# KiCad board plz actually have soldermask.kicad_pcb (continued)
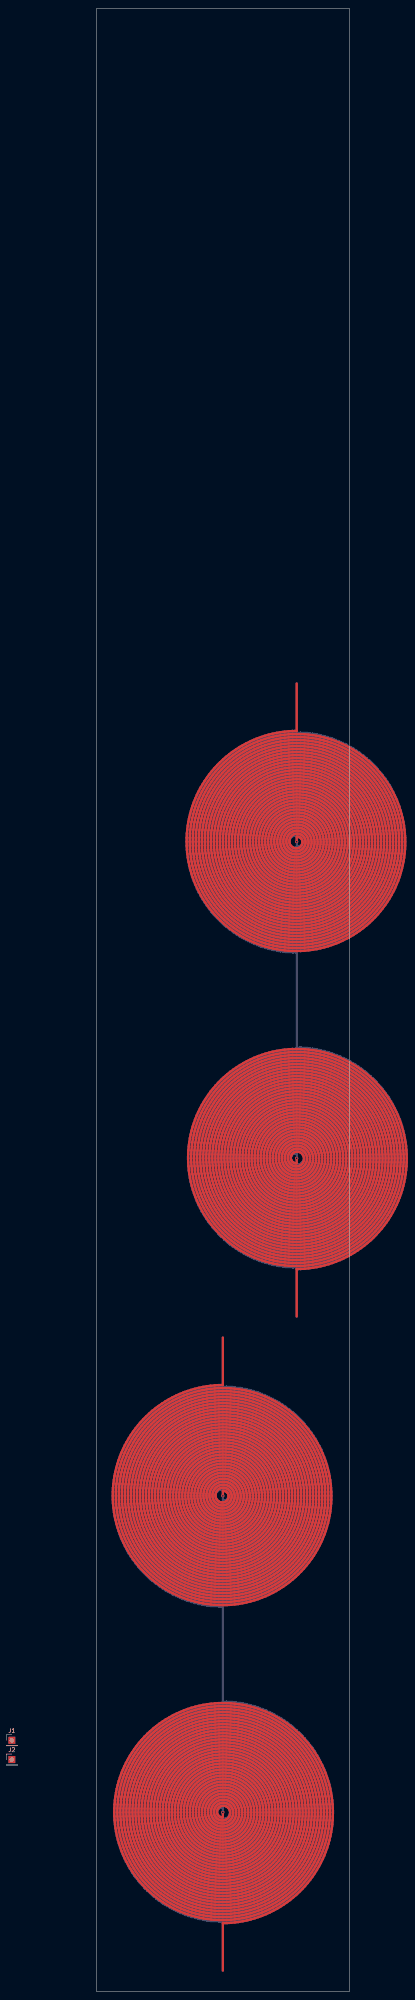
[diagram p0: board, top side]
## Routing (per net, layer and track width the routed paths; a pad name or vN(x,y) marks a point on that pad's centre or on a via; arc(x,y) is an arc through that point) (continued)
51.8,277.33 51.7,277.78 51.53,278.22 51.32,278.62 51.05,279 50.73,279.33 50.38,279.62 49.99,279.86 49.58,280.05 49.15,280.18 48.71,280.25 48.26,280.27 47.78,280.22 47.31,280.1 46.86,279.91 46.45,279.67 46.08,279.37 45.76,279.03 45.49,278.64 45.28,278.22 45.13,277.78 45.05,277.32 45.03,276.86 45.08,276.4 45.2,275.96 45.37,275.54 45.6,275.15 45.88,274.8 46.21,274.5 46.58,274.24 46.97,274.05 47.39,273.91 47.82,273.83 48.26,273.82 48.69,273.86 49.11,273.97 49.5,274.14 49.87,274.35 50.2,274.62 50.49,274.93 50.72,275.28 50.91,275.65 51.04,276.04 51.11,276.45 51.12,276.86 51.08,277.27 50.98,277.66 50.82,278.03 50.61,278.37 50.36,278.68 50.07,278.95 49.75,279.17 49.39,279.34 49.02,279.46 48.64,279.53 48.26,279.54 47.84,279.49 47.44,279.38 47.07,279.2 46.73,278.97 46.43,278.69 46.18,278.37 45.98,278.02 45.85,277.64 45.77,277.25 45.76,276.86 45.81,276.47 45.92,276.1 46.08,275.75 46.3,275.43 46.56,275.16 46.86,274.93 47.18,274.75 47.53,274.62 47.89,274.55 48.26,274.54 48.62,274.59 48.96,274.69 49.29,274.84 49.58,275.04 49.83,275.29 50.05,275.56 50.21,275.87 50.33,276.19 50.39,276.52 50.4,276.86 50.35,277.19 50.26,277.51 50.11,277.8 49.93,278.07 49.71,278.31 49.45,278.5 49.17,278.65 48.88,278.75 48.57,278.81 48.26,278.81 47.92,278.76 47.61,278.66 47.31,278.5 47.06,278.29 46.84,278.05 46.67,277.78 46.56,277.48 46.49,277.17 46.49,276.86 46.53,276.56 46.63,276.27 46.78,276 46.96,275.77 47.19,275.58 47.43,275.43 47.7,275.33 47.98,275.27 48.26,275.27 48.53,275.31 48.79,275.4 49.02,275.54 49.23,275.7 49.4,275.9 49.53,276.13 49.62,276.36 49.67,276.61 49.67,276.86 49.63,277.1 49.55,277.33 49.43,277.53 49.28,277.71 49.1,277.86 48.9,277.98 48.69,278.05 48.48,278.09 48.26,278.09 v1(48.26,276.86)
  Bottom w0.6: v1(30.48,119.38) 30.48,118.15 30.7,118.15 30.91,118.19 31.12,118.26 31.32,118.38 31.5,118.53 31.65,118.71 31.77,118.91 31.85,119.14 31.89,119.38 31.89,119.63 31.84,119.88 31.75,120.11 31.62,120.34 31.45,120.54 31.24,120.7 31.01,120.84 30.75,120.93 30.48,120.97 30.2,120.97 29.92,120.91 29.65,120.81 29.41,120.66 29.18,120.47 29,120.24 28.85,119.97 28.75,119.68 28.71,119.38 28.71,119.07 28.78,118.76 28.89,118.46 29.06,118.19 29.28,117.95 29.53,117.74 29.83,117.58 30.14,117.48 30.48,117.43 30.79,117.43 31.1,117.49 31.39,117.59 31.67,117.74 31.93,117.93 32.15,118.17 32.33,118.44 32.48,118.73 32.57,119.05 32.62,119.38 32.61,119.72 32.55,120.05 32.43,120.37 32.27,120.68 32.05,120.95 31.8,121.2 31.51,121.4 31.18,121.55 30.84,121.65 30.48,121.7 30.11,121.69 29.75,121.62 29.4,121.49 29.08,121.31 28.78,121.08 28.52,120.81 28.3,120.49 28.14,120.14 28.03,119.77 27.98,119.38 27.99,118.99 28.07,118.6 28.2,118.22 28.4,117.87 28.65,117.55 28.95,117.27 29.29,117.04 29.66,116.86 30.06,116.75 30.48,116.7 30.86,116.71 31.24,116.78 31.61,116.9 31.97,117.07 32.29,117.29 32.58,117.56 32.83,117.87 33.04,118.21 33.2,118.58 33.3,118.97 33.34,119.38 33.33,119.79 33.26,120.2 33.13,120.59 32.94,120.96 32.71,121.31 32.42,121.62 32.09,121.89 31.72,122.1 31.33,122.27 30.91,122.38 30.48,122.42 30.04,122.41 29.61,122.33 29.19,122.19 28.8,122 28.43,121.74 28.1,121.44 27.82,121.09 27.59,120.7 27.42,120.28 27.3,119.84 27.25,119.38 27.27,118.92 27.35,118.46 27.5,118.02 27.71,117.6 27.98,117.21 28.3,116.87 28.67,116.57 29.08,116.33 29.53,116.14 30,116.02 30.48,115.97 30.93,115.99 31.37,116.06 31.8,116.19 32.21,116.38 32.6,116.62 32.95,116.91 33.27,117.24 33.54,117.62 33.75,118.02 33.92,118.46 34.02,118.91 34.07,119.38 34.05,119.85 33.98,120.32 33.84,120.77 33.64,121.21 33.39,121.61 33.08,121.98 32.73,122.31 32.34,122.59 31.91,122.82 31.45,122.99 30.97,123.1 30.48,123.15 29.99,123.13 29.5,123.05 29.02,122.91 28.56,122.7 28.14,122.43 27.75,122.11 27.4,121.74 27.11,121.33 26.87,120.88 26.69,120.4 26.58,119.89 26.53,119.38 26.55,118.86 26.63,118.35 26.79,117.85 27,117.37 27.28,116.93 27.62,116.52 28.01,116.16 28.44,115.85 28.91,115.6 29.42,115.42 29.94,115.3 30.48,115.25 30.98,115.26 31.48,115.34 31.96,115.47 32.43,115.67 32.87,115.92 33.28,116.22 33.65,116.57 33.98,116.97 34.25,117.4 34.48,117.86 34.64,118.35 34.75,118.86 34.8,119.38 34.78,119.9 34.7,120.42 34.56,120.93 34.35,121.41 34.09,121.87 33.77,122.3 33.41,122.68 33,123.02 32.54,123.31 32.06,123.55 31.55,123.72 31.02,123.83 30.48,123.88 29.94,123.86 29.4,123.77 28.87,123.63 28.36,123.41 27.88,123.14 27.44,122.81 27.04,122.43 26.69,122 26.39,121.53 26.14,121.02 25.96,120.49 25.85,119.94 25.8,119.38 25.82,118.81 25.91,118.25 26.06,117.71 26.29,117.18 26.57,116.68 26.91,116.22 27.31,115.8 27.76,115.44 28.25,115.12 28.77,114.87 29.32,114.69 29.9,114.57 30.48,114.52 31.03,114.54 31.57,114.61 32.1,114.75 32.61,114.95 33.1,115.21 33.56,115.52 33.98,115.88 34.36,116.28 34.7,116.73 34.98,117.21 35.2,117.73 35.37,118.26 35.48,118.82 35.52,119.38 35.5,119.95 35.42,120.51 35.28,121.06 35.07,121.59 34.81,122.1 34.48,122.57 34.11,123.01 33.69,123.4 33.23,123.75 32.72,124.04 32.19,124.28 31.64,124.45 31.06,124.56 30.48,124.61 29.89,124.59 29.31,124.5 28.74,124.35 28.19,124.13 27.67,123.86 27.17,123.53 26.72,123.14 26.31,122.7 25.96,122.22 25.66,121.7 25.41,121.15 25.23,120.58 25.12,119.98 25.07,119.38 25.09,118.77 25.18,118.17 25.34,117.58 25.56,117.01 25.85,116.47 26.19,115.96 26.59,115.49 27.04,115.07 27.54,114.7 28.08,114.39 28.65,114.14 29.24,113.96 29.86,113.84 30.48,113.79 31.07,113.81 31.65,113.89 32.22,114.03 32.77,114.23 33.3,114.49 33.81,114.8 34.28,115.16 34.71,115.58 35.09,116.03 35.43,116.52 35.71,117.05 35.93,117.61 36.1,118.19 36.21,118.78 36.25,119.38 36.23,119.98 36.15,120.58 36,121.17 35.8,121.75 35.53,122.3 35.21,122.81 34.83,123.3 34.41,123.74 33.94,124.14 33.43,124.48 32.88,124.77 32.31,125.01 31.71,125.18 31.1,125.29 30.48,125.33 29.86,125.31 29.24,125.23 28.63,125.08 28.04,124.86 27.47,124.59 26.94,124.25 26.44,123.87 25.98,123.43 25.58,122.94 25.22,122.42 24.92,121.86 24.68,121.26 24.5,120.65 24.39,120.02 24.35,119.38 24.37,118.74 24.46,118.1 24.61,117.47 24.83,116.87 25.12,116.28 25.46,115.73 25.86,115.22 26.31,114.75 26.81,114.33 27.35,113.96 27.93,113.65 28.54,113.41 29.17,113.23 29.82,113.11 30.48,113.06 31.1,113.08 31.72,113.16 32.32,113.3 32.91,113.5 33.48,113.76 34.03,114.07 34.54,114.44 35.01,114.85 35.44,115.31 35.83,115.81 36.16,116.34 36.44,116.91 36.67,117.5 36.83,118.12 36.94,118.74 36.98,119.38 36.96,120.02 36.88,120.65 36.73,121.28 36.53,121.88 36.26,122.47 35.94,123.03 35.56,123.55 35.14,124.04 34.67,124.48 34.15,124.88 33.6,125.22 33.02,125.51 32.41,125.74 31.78,125.91 31.13,126.02 30.48,126.06 29.82,126.04 29.17,125.95 28.53,125.8 27.91,125.59 27.3,125.32 26.73,124.99 26.19,124.6 25.69,124.17 25.24,123.68 24.83,123.15 24.48,122.59 24.18,121.99 23.95,121.36 23.77,120.71 23.66,120.05 23.62,119.38 23.64,118.71 23.73,118.04 23.88,117.38 24.1,116.74 24.38,116.12 24.72,115.53 25.11,114.98 25.56,114.46 26.06,114 26.6,113.58 27.19,113.22 27.8,112.92 28.45,112.67 29.11,112.49 29.79,112.38 30.48,112.34 31.13,112.36 31.78,112.44 32.42,112.58 33.04,112.77 33.64,113.03 34.22,113.34 34.77,113.7 35.28,114.11 35.76,114.57 36.19,115.07 36.57,115.61 36.9,116.18 37.18,116.79 37.4,117.41 37.56,118.06 37.66,118.71 37.7,119.38 37.68,120.05 37.6,120.71 37.46,121.37 37.26,122.01 37,122.62 36.68,123.22 36.31,123.78 35.88,124.3 35.41,124.79 34.9,125.23 34.35,125.62 33.76,125.96 33.14,126.25 32.5,126.47 31.84,126.64 31.16,126.74 30.48,126.79 29.8,126.77 29.12,126.68 28.44,126.53 27.79,126.33 27.15,126.06 26.55,125.73 25.97,125.35 25.43,124.92 24.94,124.43 24.48,123.91 24.08,123.34 23.74,122.74 23.44,122.11 23.21,121.45 23.04,120.77 22.93,120.08 22.89,119.38 22.91,118.68 23,117.98 23.15,117.29 23.36,116.62 23.64,115.97 23.97,115.35 24.36,114.76 24.81,114.21 25.3,113.7 25.84,113.24 26.42,112.83 27.04,112.47 27.69,112.17 28.36,111.94 29.06,111.76 29.76,111.65 30.48,111.61 31.16,111.63 31.83,111.71 32.5,111.85 33.15,112.04 33.79,112.29 34.4,112.6 34.98,112.96 35.53,113.37 36.04,113.82 36.51,114.32 36.94,114.86 37.31,115.43 37.64,116.04 37.91,116.67 38.13,117.33 38.29,118 38.39,118.69 38.43,119.38 38.41,120.07 38.33,120.76 38.19,121.45 37.99,122.11 37.73,122.76 37.42,123.39 37.05,123.98 36.63,124.54 36.17,125.07 35.66,125.55 35.1,125.98 34.52,126.37 33.9,126.71 33.25,126.99 32.58,127.21 31.89,127.37 31.19,127.47 30.48,127.51 29.77,127.49 29.06,127.41 28.37,127.27 27.68,127.06 27.02,126.8 26.38,126.48 25.77,126.1 25.2,125.67 24.66,125.2 24.17,124.67 23.73,124.11 23.33,123.51 22.99,122.87 22.7,122.21 22.48,121.52 22.31,120.82 22.21,120.1 22.16,119.38 22.19,118.65 22.27,117.93 22.42,117.22 22.63,116.52 22.9,115.84 23.23,115.19 23.61,114.57 24.05,113.98 24.54,113.44 25.07,112.93 25.65,112.48 26.26,112.07 26.91,111.72 27.59,111.43 28.29,111.2 29.01,111.03 29.74,110.93 30.48,110.88 31.18,110.9 31.88,110.98 32.57,111.12 33.25,111.31 33.91,111.55 34.55,111.86 35.16,112.21 35.75,112.61 36.29,113.07 36.8,113.56 37.27,114.1 37.69,114.67 38.06,115.28 38.38,115.91 38.65,116.57 38.87,117.26 39.02,117.95 39.12,118.66 39.16,119.38 39.14,120.1 39.06,120.81 38.92,121.52 38.72,122.21 38.47,122.89 38.16,123.54 37.8,124.16 37.39,124.76 36.93,125.32 36.42,125.84 35.88,126.31 35.29,126.74 34.67,127.12 34.02,127.45 33.34,127.72 32.65,127.94 31.94,128.1 31.21,128.2 30.48,128.24 29.75,128.22 29.02,128.14 28.3,128 27.59,127.8 26.9,127.54 26.24,127.22 25.6,126.85 24.99,126.43 24.42,125.96 23.89,125.45 23.4,124.89 22.97,124.29 22.58,123.66 22.24,122.99 21.96,122.3 21.74,121.59 21.58,120.87 21.48,120.13 21.44,119.38 21.46,118.63 21.54,117.89 21.69,117.15 21.89,116.43 22.16,115.73 22.48,115.05 22.85,114.4 23.28,113.78 23.76,113.2 24.29,112.66 24.86,112.16 25.47,111.71 26.12,111.32 26.79,110.98 27.5,110.69 28.22,110.47 28.96,110.3 29.72,110.2 30.48,110.16 31.2,110.18 31.93,110.25 32.64,110.38 33.34,110.57 34.03,110.82 34.69,111.11 35.33,111.46 35.94,111.86 36.52,112.3 37.07,112.79 37.57,113.32 38.03,113.89 38.45,114.5 38.81,115.13 39.13,115.8 39.39,116.48 39.6,117.19 39.75,117.91 39.85,118.64 39.89,119.38 39.87,120.12 39.79,120.85 39.65,121.58 39.46,122.3 39.21,123 38.91,123.67 38.55,124.33 38.15,124.95 37.69,125.54 37.2,126.1 36.65,126.61 36.07,127.08 35.46,127.5 34.81,127.87 34.13,128.2 33.43,128.46 32.71,128.68 31.98,128.83 31.23,128.93 30.48,128.97 29.73,128.95 28.98,128.87 28.24,128.73 27.51,128.53 26.79,128.28 26.1,127.97 25.44,127.61 24.8,127.2 24.2,126.73 23.64,126.22 23.11,125.67 22.64,125.08 22.2,124.45 21.82,123.79 21.5,123.1 21.22,122.39 21.01,121.65 20.85,120.91 20.75,120.15 20.71,119.38 20.73,118.61 20.81,117.85 20.95,117.09 21.15,116.35 21.41,115.62 21.73,114.92 22.1,114.24 22.52,113.6 22.99,112.98 23.51,112.41 24.07,111.88 24.67,111.39 25.31,110.95 25.99,110.56 26.69,110.23 27.42,109.95 28.16,109.73 28.93,109.57 29.7,109.47 30.48,109.43 31.22,109.45 31.97,109.52 32.7,109.65 33.42,109.84 34.13,110.08 34.82,110.37 35.49,110.71 36.12,111.1 36.73,111.54 37.31,112.02 37.84,112.55 38.34,113.11 38.79,113.71 39.2,114.34 39.56,115.01 39.87,115.69 40.13,116.4 40.33,117.13 40.48,117.87 40.58,118.62 40.61,119.38 40.59,120.14 40.52,120.89 40.38,121.64 40.2,122.38 39.95,123.1 39.66,123.8 39.31,124.48 38.91,125.13 38.46,125.75 37.97,126.33 37.44,126.88 36.86,127.38 36.25,127.85 35.61,128.26 34.93,128.63 34.23,128.94 33.51,129.2 32.77,129.41 32.01,129.56 31.25,129.66 30.48,129.69 29.71,129.67 28.94,129.6 28.18,129.46 27.43,129.27 26.7,129.02 25.98,128.72 25.29,128.37 24.63,127.96 24,127.51 23.41,127 22.85,126.46 22.33,125.88 21.86,125.25 21.44,124.6 21.07,123.91 20.75,123.2 20.48,122.46 20.27,121.71 20.12,120.94 20.02,120.16 19.98,119.38 20,118.59 20.08,117.81 20.22,117.04 20.42,116.28 20.67,115.53 20.98,114.8 21.34,114.1 21.75,113.43 22.21,112.79 22.72,112.18 23.28,111.62 23.87,111.09 24.5,110.61 25.17,110.19 25.87,109.81 26.59,109.48 27.34,109.21 28.11,109 28.89,108.84 29.68,108.74 30.48,108.7 31.24,108.72 32,108.79 32.76,108.92 33.5,109.1 34.23,109.34 34.94,109.62 35.63,109.96 36.29,110.34 36.92,110.77 37.53,111.25 38.09,111.77 38.62,112.32 39.11,112.92 39.56,113.54 39.96,114.2 40.31,114.89 40.62,115.6 40.87,116.33 41.07,117.08 41.21,117.84 41.3,118.61 41.34,119.38 41.32,120.16 41.25,120.93 41.12,121.69 40.93,122.45 40.69,123.19 40.4,123.91 40.06,124.61 39.67,125.29 39.23,125.93 38.75,126.55 38.22,127.12 37.66,127.66 37.05,128.16 36.41,128.61 35.74,129.02 35.05,129.38 34.32,129.69 33.58,129.94 32.82,130.14 32.05,130.29 31.27,130.39 30.48,130.42 29.69,130.4 28.91,130.33 28.13,130.19 27.36,130.01 26.61,129.76 25.87,129.47 25.16,129.12 24.47,128.72 23.82,128.28 23.2,127.79 22.61,127.25 22.06,126.68 21.55,126.06 21.09,125.41 20.68,124.73 20.32,124.02 20,123.29 19.74,122.53 19.54,121.76 19.39,120.97 19.29,120.18 19.26,119.38 19.28,118.58 19.35,117.78 19.49,116.99 19.68,116.21 19.93,115.44 20.23,114.7 20.58,113.97 20.98,113.28 21.44,112.61 21.94,111.98 22.48,111.38 23.07,110.82 23.69,110.31 24.35,109.84 25.04,109.42 25.76,109.05 26.51,108.73 27.28,108.47 28.06,108.26 28.86,108.11 29.67,108.01 30.48,107.97 31.26,107.99 32.04,108.07 32.81,108.19 33.57,108.37 34.31,108.6 35.04,108.88 35.75,109.2 36.44,109.58 37.1,110 37.73,110.47 38.32,110.98 38.88,111.53 39.41,112.12 39.89,112.74 40.33,113.39 40.72,114.07 41.06,114.78 41.36,115.51 41.61,116.26 41.8,117.03 41.94,117.8 42.03,118.59 42.07,119.38 42.05,120.17 41.97,120.96 41.85,121.74 41.67,122.51 41.43,123.27 41.15,124.02 40.82,124.74 40.43,125.43 40,126.1 39.53,126.74 39.01,127.35 38.45,127.92 37.86,128.45 37.23,128.94 36.56,129.38 35.87,129.78 35.15,130.13 34.41,130.43 33.65,130.68 32.87,130.88 32.08,131.02 31.28,131.11 30.48,131.15 29.68,131.13 28.88,131.05 28.08,130.93 27.3,130.74 26.53,130.51 25.77,130.22 25.04,129.88 24.33,129.49 23.65,129.05 23,128.57 22.39,128.04 21.81,127.48 21.27,126.87 20.78,126.23 20.32,125.56 19.92,124.85 19.56,124.12 19.26,123.37 19,122.6 18.8,121.81 18.66,121.01 18.57,120.19 18.53,119.38 18.55,118.56 18.63,117.75 18.76,116.94 18.94,116.15 19.18,115.36 19.48,114.6 19.82,113.86 20.22,113.14 20.66,112.45 21.15,111.79 21.68,111.16 22.26,110.58 22.87,110.03 23.52,109.53 24.21,109.07 24.92,108.66 25.67,108.3 26.43,107.99 27.22,107.73 28.02,107.52 28.83,107.38 29.65,107.28 30.48,107.25 31.27,107.27 32.07,107.34 32.85,107.46 33.63,107.63 34.39,107.86 35.14,108.13 35.87,108.45 36.58,108.82 37.26,109.24 37.91,109.69 38.53,110.2 39.12,110.74 39.68,111.32 40.19,111.93 40.66,112.58 41.09,113.25 41.48,113.96 41.81,114.69 42.1,115.43 42.34,116.2 42.53,116.98 42.67,117.77 42.76,118.58 42.79,119.38 42.77,120.19 42.7,120.99 42.58,121.79 42.4,122.57 42.18,123.35 41.9,124.11 41.57,124.85 41.2,125.57 40.78,126.26 40.31,126.92 39.8,127.55 39.25,128.15 38.66,128.71 38.04,129.23 37.38,129.71 36.7,130.15 35.98,130.54 35.24,130.88 34.48,131.18 33.71,131.42 32.91,131.61 32.11,131.75 31.3,131.84 30.48,131.88 29.66,131.86 28.85,131.78 28.04,131.66 27.24,131.48 26.45,131.25 25.68,130.97 24.93,130.63 24.2,130.25 23.5,129.83 22.83,129.35 22.19,128.84 21.58,128.28 21.01,127.68 20.48,127.05 20,126.39 19.55,125.69 19.16,124.96 18.81,124.21 18.51,123.44 18.26,122.65 18.07,121.85 17.93,121.03 17.84,120.21 17.8,119.38 17.82,118.55 17.9,117.72 18.02,116.9 18.21,116.09 18.44,115.29 18.73,114.51 19.06,113.75 19.45,113.01 19.88,112.3 20.36,111.62 20.89,110.97 21.45,110.35 22.06,109.77 22.7,109.24 23.37,108.74 24.08,108.3 24.82,107.89 25.58,107.54 26.36,107.24 27.16,106.99 27.98,106.79 28.8,106.65 29.64,106.56 30.48,106.52 31.29,106.54 32.09,106.61 32.89,106.73 33.69,106.9 34.46,107.12 35.23,107.38 35.98,107.7 36.7,108.06 37.41,108.47 38.08,108.92 38.73,109.41 39.34,109.94 39.92,110.51 40.47,111.12 40.97,111.76 41.44,112.43 41.86,113.13 42.23,113.85 42.56,114.6 42.85,115.36 43.08,116.14 43.27,116.94 43.4,117.75 43.49,118.56 43.52,119.38 43.5,120.2 43.43,121.02 43.31,121.83 43.14,122.63 42.92,123.42 42.65,124.2 42.33,124.95 41.96,125.69 41.55,126.4 41.09,127.09 40.59,127.74 40.05,128.37 39.47,128.96 38.86,129.51 38.21,130.02 37.53,130.49 36.82,130.92 36.09,131.3 35.33,131.63 34.55,131.92 33.76,132.16 32.95,132.35 32.14,132.48 31.31,132.57 30.48,132.6 29.65,132.58 28.82,132.51 28,132.39 27.18,132.22 26.38,131.99 25.6,131.71 24.83,131.39 24.08,131.02 23.36,130.6 22.67,130.14 22,129.63 21.37,129.08 20.77,128.5 20.21,127.87 19.69,127.22 19.22,126.53 18.78,125.81 18.4,125.07 18.06,124.3 17.77,123.51 17.53,122.71 17.33,121.89 17.2,121.06 17.11,120.22 17.08,119.38 17.09,118.54 17.17,117.7 17.29,116.86 17.47,116.04 17.7,115.23 17.98,114.43 18.31,113.65 18.68,112.89 19.11,112.16 19.58,111.46 20.09,110.78 20.65,110.14 21.24,109.54 21.87,108.97 22.54,108.45 23.24,107.96 23.96,107.53 24.72,107.13 25.49,106.79 26.29,106.49 27.11,106.25 27.94,106.06 28.78,105.92 29.63,105.83 30.48,105.79 31.3,105.81 32.12,105.88 32.93,106 33.74,106.16 34.53,106.38 35.31,106.64 36.08,106.95 36.82,107.3 37.54,107.7 38.24,108.14 38.91,108.62 39.54,109.15 40.15,109.71 40.72,110.31 41.26,110.94 41.75,111.6 42.21,112.29 42.62,113.01 42.99,113.75 43.31,114.51 43.59,115.29 43.82,116.09 44,116.9 44.13,117.72 44.22,118.55 44.25,119.38 44.23,120.21 44.16,121.04 44.04,121.87 43.87,122.68 43.66,123.49 43.39,124.28 43.08,125.05 42.72,125.8 42.32,126.54 41.87,127.24 41.38,127.92 40.85,128.57 40.28,129.18 39.67,129.76 39.04,130.3 38.36,130.8 37.66,131.26 36.94,131.68 36.18,132.06 35.41,132.38 34.62,132.66 33.81,132.9 32.99,133.08 32.16,133.21 31.32,133.3 30.48,133.33 29.64,133.31 28.8,133.24 27.96,133.12 27.13,132.95 26.32,132.73 25.52,132.46 24.73,132.15 23.97,131.78 23.23,131.37 22.52,130.92 21.83,130.42 21.17,129.88 20.55,129.31 19.97,128.7 19.42,128.05 18.91,127.37 18.44,126.66 18.02,125.92 17.64,125.16 17.31,124.38 17.02,123.57 16.79,122.76 16.6,121.92 16.47,121.08 16.38,120.23 16.35,119.38 16.37,118.53 16.44,117.67 16.56,116.83 16.73,115.99 16.96,115.17 17.23,114.35 17.55,113.56 17.92,112.79 18.33,112.04 18.79,111.31 19.3,110.62 19.84,109.95 20.42,109.32 21.04,108.73 21.7,108.17 22.39,107.66 23.11,107.19 23.85,106.76 24.63,106.37 25.42,106.04 26.23,105.75 27.06,105.51 27.9,105.32 28.76,105.19 29.62,105.1 30.48,105.07 31.31,105.08 32.14,105.15 32.97,105.26 33.79,105.43 34.59,105.64 35.39,105.89 36.17,106.19 36.93,106.54 37.67,106.93 38.38,107.37 39.07,107.84 39.73,108.35 40.36,108.91 40.96,109.49 41.52,110.11 42.05,110.77 42.53,111.45 42.98,112.16 43.38,112.9 43.75,113.66 44.06,114.44 44.33,115.23 44.56,116.04 44.73,116.87 44.86,117.7 44.94,118.54 44.97,119.38 44.96,120.22 44.89,121.06 44.77,121.9 44.61,122.73 44.4,123.55 44.14,124.35 43.83,125.14 43.48,125.91 43.09,126.66 42.65,127.38 42.17,128.08 41.65,128.75 41.09,129.39 40.49,129.99 39.86,130.56 39.2,131.09 38.51,131.59 37.79,132.04 37.04,132.45 36.27,132.81 35.49,133.13 34.68,133.41 33.86,133.63 33.03,133.81 32.18,133.94 31.33,134.02 30.48,134.06 29.63,134.04 28.77,133.97 27.93,133.85 27.09,133.69 26.26,133.47 25.45,133.21 24.65,132.9 23.87,132.54 23.11,132.14 22.38,131.7 21.67,131.21 20.99,130.68 20.35,130.12 19.74,129.52 19.16,128.88 18.62,128.21 18.12,127.51 17.66,126.78 17.25,126.02 16.88,125.25 16.56,124.45 16.28,123.63 16.05,122.8 15.87,121.96 15.74,121.1 15.65,120.24 15.62,119.38 15.64,118.52 15.71,117.65 15.83,116.8 16,115.95 16.21,115.11 16.48,114.28 16.79,113.48 17.15,112.69 17.56,111.92 18.01,111.18 18.5,110.46 19.04,109.78 19.61,109.12 20.22,108.5 20.86,107.92 21.54,107.38 22.25,106.87 22.99,106.41 23.75,105.99 24.54,105.61 25.35,105.28 26.18,105 27.02,104.77 27.87,104.59 28.74,104.46 29.61,104.37 30.48,104.34 31.32,104.36 32.17,104.42 33,104.53 33.83,104.69 34.65,104.9 35.46,105.15 36.25,105.44 37.03,105.78 37.78,106.17 38.52,106.59 39.22,107.06 39.91,107.56 40.56,108.1 41.18,108.68 41.77,109.29 42.32,109.94 42.84,110.61 43.31,111.32 43.75,112.05 44.15,112.8 44.5,113.57 44.81,114.37 45.08,115.18 45.29,116 45.47,116.83 45.59,117.68 45.67,118.53 45.7,119.38 45.68,120.23 45.62,121.09 45.51,121.93 45.35,122.77 45.14,123.6 44.88,124.42 44.59,125.22 44.24,126.01 43.85,126.77 43.42,127.51 42.95,128.23 42.44,128.92 41.89,129.58 41.31,130.21 40.69,130.8 40.04,131.36 39.35,131.88 38.64,132.37 37.9,132.81 37.14,133.21 36.36,133.57 35.55,133.88 34.74,134.15 33.9,134.37 33.06,134.55 32.2,134.67 31.34,134.75 30.48,134.78 29.62,134.77 28.75,134.7 27.9,134.59 27.05,134.42 26.21,134.21 25.38,133.96 24.57,133.65 23.77,133.3 23,132.91 22.25,132.48 21.53,132 20.83,131.48 20.16,130.93 19.52,130.34 18.92,129.71 18.36,129.05 17.83,128.36 17.34,127.64 16.89,126.89 16.48,126.12 16.12,125.33 15.81,124.51 15.54,123.69 15.31,122.84 15.13,121.99 15.01,121.12 14.93,120.25 14.89,119.38 14.91,118.51 14.98,117.63 15.1,116.77 15.26,115.91 15.47,115.06 15.73,114.22 16.04,113.4 16.39,112.6 16.79,111.81 17.23,111.05 17.71,110.32 18.23,109.61 18.8,108.94 19.4,108.3 20.03,107.69 20.7,107.11 21.4,106.58 22.13,106.08 22.88,105.63 23.66,105.22 24.46,104.86 25.29,104.53 26.12,104.26 26.98,104.03 27.84,103.85 28.72,103.73 29.6,103.64 30.48,103.61 31.33,103.63 32.19,103.69 33.03,103.8 33.87,103.96 34.71,104.16 35.53,104.4 36.33,104.69 37.12,105.02 37.89,105.4 38.64,105.82 39.37,106.27 40.07,106.77 40.74,107.3 41.38,107.87 42,108.47 42.57,109.11 43.12,109.77 43.62,110.47 44.09,111.19 44.52,111.94 44.91,112.7 45.26,113.49 45.56,114.3 45.82,115.12 46.03,115.96 46.2,116.8 46.32,117.66 46.4,118.52 46.43,119.38 46.41,120.24 46.35,121.11 46.24,121.96 46.08,122.81 45.88,123.66 45.63,124.48 45.34,125.3 45,126.1 44.62,126.88 44.2,127.63 43.74,128.37 43.24,129.08 42.7,129.76 42.12,130.41 41.51,131.03 40.87,131.61 40.2,132.16 39.49,132.67 38.76,133.15 38.01,133.58 37.23,133.97 36.43,134.32 35.62,134.63 34.79,134.89 33.94,135.11 33.09,135.28 32.22,135.4 31.35,135.48 30.48,135.51 29.61,135.49 28.73,135.43 27.87,135.32 27.01,135.16 26.16,134.95 25.32,134.7 24.49,134.41 23.69,134.07 22.9,133.68 22.13,133.26 21.39,132.79 20.67,132.28 19.98,131.74 19.33,131.15 18.7,130.54 18.11,129.89 17.55,129.21 17.04,128.5 16.56,127.76 16.12,126.99 15.72,126.21 15.37,125.4 15.06,124.58 14.79,123.74 14.57,122.88 14.4,122.02 14.28,121.14 14.2,120.26 14.17,119.38 14.19,118.5 14.25,117.61 14.36,116.74 14.52,115.87 14.73,115.01 14.99,114.16 15.29,113.33 15.63,112.51 16.02,111.71 16.45,110.94 16.92,110.19 17.43,109.46 17.99,108.77 18.57,108.1 19.2,107.47 19.85,106.87 20.54,106.31 21.26,105.79 22.01,105.3 22.78,104.86 23.58,104.46 24.39,104.1 25.23,103.79 26.08,103.52 26.94,103.3 27.81,103.12 28.7,103 29.59,102.92 30.48,102.89 31.34,102.9 32.21,102.96 33.06,103.07 33.91,103.22 34.76,103.42 35.59,103.66 36.41,103.94 37.21,104.27 37.99,104.64 38.76,105.04 39.5,105.49 40.22,105.98 40.91,106.5 41.57,107.06 42.21,107.65 42.81,108.28 43.38,108.94 43.91,109.62 44.41,110.33 44.87,111.07 45.29,111.83 45.67,112.62 46.01,113.42 46.31,114.24 46.56,115.07 46.77,115.92 46.93,116.77 47.05,117.64 47.13,118.51 47.16,119.38 47.14,120.25 47.08,121.12 46.97,121.99 46.82,122.85 46.62,123.7 46.37,124.54 46.09,125.37 45.76,126.18 45.39,126.98 44.97,127.75 44.52,128.5 44.03,129.22 43.5,129.92 42.94,130.6 42.34,131.24 41.7,131.84 41.04,132.42 40.35,132.96 39.62,133.46 38.88,133.93 38.11,134.35 37.32,134.74 36.51,135.08 35.68,135.38 34.84,135.63 33.98,135.85 33.11,136.01 32.24,136.13 31.36,136.21 30.48,136.24 29.6,136.22 28.72,136.16 27.84,136.05 26.97,135.89 26.11,135.69 25.26,135.45 24.42,135.16 23.6,134.82 22.8,134.45 22.02,134.03 21.26,133.57 20.53,133.08 19.82,132.54 19.14,131.97 18.5,131.36 17.88,130.72 17.3,130.05 16.75,129.35 16.25,128.62 15.78,127.87 15.35,127.09 14.96,126.29 14.61,125.47 14.31,124.63 14.05,123.78 13.84,122.92 13.67,122.04 13.55,121.16 13.47,120.27 13.44,119.38 13.46,118.49 13.52,117.6 13.63,116.71 13.79,115.83 13.99,114.96 14.24,114.1 14.53,113.26 14.87,112.43 15.25,111.62 15.67,110.83 16.13,110.06 16.64,109.32 17.18,108.61 17.75,107.92 18.37,107.27 19.01,106.65 19.69,106.06 20.4,105.51 21.14,104.99 21.9,104.52 22.69,104.08 23.5,103.69 24.32,103.34 25.17,103.04 26.03,102.78 26.9,102.56 27.79,102.39 28.68,102.27 29.58,102.19 30.48,102.16 31.35,102.18 32.22,102.24 33.09,102.34 33.95,102.49 34.8,102.68 35.65,102.92 36.48,103.19 37.29,103.51 38.09,103.87 38.87,104.27 39.62,104.71 40.36,105.19 41.07,105.7 41.75,106.25 42.41,106.83 43.03,107.45 43.62,108.1 44.18,108.77 44.71,109.48 45.19,110.21 45.64,110.96 46.06,111.74 46.43,112.54 46.76,113.35 47.05,114.18 47.3,115.03 47.5,115.88 47.66,116.75 47.78,117.62 47.85,118.5 47.88,119.38 47.87,120.26 47.81,121.14 47.7,122.02 47.55,122.89 47.36,123.75 47.12,124.6 46.84,125.44 46.52,126.26 46.15,127.07 45.75,127.85 45.3,128.62 44.82,129.36 44.3,130.08 43.75,130.77 43.16,131.43 42.53,132.06 41.88,132.66 41.2,133.23 40.49,133.75 39.75,134.25 38.99,134.7 38.2,135.12 37.4,135.5 36.57,135.83 35.73,136.12 34.88,136.37 34.02,136.58 33.14,136.74 32.26,136.86 31.37,136.94 30.48,136.96 29.59,136.95 28.7,136.89 27.81,136.78 26.94,136.63 26.07,136.43 25.21,136.19 24.36,135.91 23.53,135.58 22.71,135.21 21.92,134.81 21.14,134.36 20.39,133.87 19.67,133.35 18.97,132.78 18.3,132.19 17.67,131.56 17.06,130.9 16.49,130.21 15.96,129.49 15.46,128.74 15,127.97 14.58,127.18 14.2,126.37 13.86,125.54 13.56,124.69 13.31,123.83 13.1,122.95 12.94,122.07 12.82,121.18 12.74,120.28 12.71,119.38 12.73,118.48 12.79,117.58 12.9,116.69 13.05,115.8 13.25,114.92 13.49,114.05 13.78,113.2 14.11,112.36 14.48,111.53 14.89,110.73 15.35,109.95 15.84,109.19 16.37,108.46 16.94,107.75 17.54,107.08 18.18,106.44 18.84,105.82 19.54,105.25 20.27,104.71 21.02,104.2 21.8,103.74 22.6,103.31 23.42,102.93 24.26,102.59 25.12,102.29 25.99,102.03 26.87,101.82 27.76,101.66 28.67,101.54 29.57,101.46 30.48,101.43 31.36,101.45 32.24,101.51 33.12,101.61 33.99,101.75 34.85,101.94 35.7,102.17 36.54,102.44 37.37,102.76 38.18,103.11 38.97,103.5 39.74,103.93 40.49,104.4 41.22,104.9 41.92,105.44 42.59,106.02 43.24,106.62 43.85,107.26 44.43,107.93 44.98,108.62 45.5,109.35 45.98,110.09 46.42,110.86 46.82,111.65 47.19,112.46 47.51,113.29 47.8,114.13 48.04,114.98 48.24,115.85 48.4,116.72 48.51,117.6 48.58,118.49 48.61,119.38 48.59,120.27 48.53,121.16 48.43,122.04 48.28,122.92 48.09,123.79 47.86,124.65 47.59,125.5 47.27,126.34 46.92,127.15 46.52,127.95 46.08,128.73 45.61,129.49 45.1,130.22 44.56,130.93 43.98,131.61 43.36,132.26 42.72,132.88 42.05,133.47 41.34,134.03 40.62,134.55 39.86,135.03 39.09,135.48 38.29,135.89 37.47,136.26 36.64,136.58 35.79,136.87 34.92,137.12 34.05,137.32 33.16,137.48 32.27,137.59 31.38,137.66 30.48,137.69 29.58,137.68 28.68,137.61 27.79,137.51 26.9,137.36 26.02,137.17 25.15,136.94 24.3,136.66 23.46,136.34 22.63,135.98 21.82,135.58 21.03,135.14 20.27,134.66 19.53,134.15 18.81,133.6 18.13,133.01 17.47,132.39 16.84,131.74 16.25,131.06 15.69,130.35 15.16,129.62 14.67,128.86 14.22,128.07 13.81,127.27 13.44,126.44 13.11,125.6 12.82,124.74 12.57,123.87 12.36,122.98 12.2,122.09 12.09,121.19 12.01,120.29 11.99,119.38 12,118.47 12.06,117.57 12.17,116.66 12.32,115.77 12.51,114.88 12.75,114 13.03,113.14 13.35,112.29 13.72,111.45 14.12,110.64 14.56,109.84 15.05,109.07 15.57,108.32 16.12,107.6 16.71,106.9 17.34,106.24 18,105.61 18.68,105.01 19.4,104.44 20.14,103.91 20.91,103.42 21.7,102.96 22.52,102.54 23.35,102.17 24.2,101.83 25.07,101.54 25.95,101.29 26.84,101.09 27.74,100.92 28.65,100.81 29.56,100.73 30.48,100.7 31.37,100.72 32.26,100.78 33.14,100.88 34.02,101.02 34.89,101.2 35.75,101.43 36.6,101.7 37.44,102 38.26,102.35 39.06,102.73 39.85,103.15 40.61,103.61 41.35,104.11 42.07,104.64 42.76,105.2 43.43,105.8 44.06,106.43 44.67,107.09 45.24,107.77 45.78,108.48 46.29,109.22 46.76,109.98 47.19,110.76 47.59,111.57 47.95,112.39 48.26,113.23 48.54,114.08 48.78,114.94 48.97,115.82 49.13,116.7 49.24,117.59 49.31,118.48 49.34,119.38 49.32,120.28 49.26,121.17 49.16,122.07 49.02,122.95 48.83,123.83 48.6,124.7 48.34,125.56 48.03,126.4 47.68,127.23 47.29,128.05 46.86,128.84 46.4,129.61 45.9,130.36 45.36,131.08 44.79,131.78 44.19,132.45 43.56,133.1 42.89,133.71 42.2,134.28 41.48,134.83 40.74,135.34 39.97,135.82 39.18,136.25 38.37,136.65 37.54,137.01 36.69,137.33 35.83,137.62 34.96,137.86 34.08,138.05 33.19,138.21 32.29,138.32 31.39,138.39 30.48,138.42 29.57,138.4 28.67,138.34 27.77,138.24 26.87,138.1 25.99,137.91 25.11,137.68 24.24,137.41 23.39,137.1 22.55,136.74 21.73,136.35 20.93,135.92 20.15,135.45 19.4,134.95 18.66,134.41 17.96,133.83 17.28,133.22 16.63,132.58 16.02,131.91 15.43,131.21 14.88,130.49 14.37,129.74 13.89,128.96 13.45,128.16 13.04,127.34 12.68,126.51 12.35,125.65 12.07,124.79 11.83,123.9 11.63,123.01 11.47,122.11 11.36,121.21 11.29,120.29 11.26,119.38 11.28,118.47 11.34,117.55 11.44,116.64 11.59,115.74 11.77,114.84 12.01,113.96 12.28,113.08 12.6,112.22 12.95,111.38 13.35,110.55 13.78,109.74 14.26,108.95 14.77,108.19 15.31,107.45 15.89,106.74 16.51,106.06 17.15,105.4 17.83,104.78 18.53,104.19 19.27,103.63 20.03,103.11 20.81,102.63 21.61,102.18 22.44,101.78 23.29,101.41 24.15,101.08 25.02,100.8 25.91,100.55 26.81,100.35 27.72,100.19 28.64,100.08 29.56,100.01 30.48,99.98 31.38,99.99 32.27,100.05 33.16,100.15 34.05,100.29 34.93,100.47 35.8,100.69 36.66,100.95 37.5,101.25 38.34,101.59 39.15,101.96 39.95,102.38 40.73,102.83 41.48,103.32 42.22,103.84 42.93,104.39 43.61,104.98 44.26,105.6 44.89,106.24 45.48,106.92 46.05,107.62 46.58,108.35 47.08,109.1 47.54,109.88 47.96,110.67 48.35,111.49 48.7,112.32 49.01,113.17 49.29,114.03 49.52,114.9 49.71,115.79 49.86,116.68 49.97,117.57 50.04,118.48 50.06,119.38 50.05,120.28 49.99,121.19 49.89,122.09 49.75,122.98 49.57,123.87 49.35,124.75 49.08,125.62 48.78,126.47 48.44,127.31 48.06,128.13 47.64,128.94 47.18,129.72 46.69,130.49 46.17,131.23 45.61,131.94 45.02,132.63 44.39,133.29 43.74,133.92 43.06,134.52 42.35,135.09 41.61,135.63 40.85,136.13 40.07,136.6 39.27,137.03 38.44,137.42 37.6,137.77 36.75,138.09 35.88,138.36 35,138.59 34.11,138.79 33.21,138.94 32.3,139.05 31.39,139.12 30.48,139.15 29.57,139.13 28.66,139.07 27.75,138.97 26.84,138.83 25.95,138.65 25.06,138.42 24.19,138.16 23.32,137.85 22.48,137.51 21.65,137.12 20.83,136.7 20.04,136.24 19.27,135.74 18.52,135.21 17.8,134.65 17.11,134.05 16.44,133.42 15.8,132.76 15.2,132.07 14.62,131.36 14.08,130.61 13.58,129.85 13.11,129.06 12.67,128.25 12.28,127.42 11.92,126.57 11.6,125.71 11.33,124.83 11.09,123.94 10.89,123.04 10.74,122.13 10.63,121.22 10.56,120.3 10.53,119.38 10.55,118.46 10.61,117.54 10.71,116.62 10.85,115.71 11.04,114.81 11.26,113.91 11.53,113.03 11.84,112.16 12.19,111.3 12.58,110.46 13,109.64 13.47,108.85 13.97,108.07 14.5,107.31 15.07,106.59 15.68,105.88 16.31,105.21 16.98,104.57 17.67,103.96 18.39,103.38 19.14,102.83 19.92,102.32 20.71,101.85 21.53,101.41 22.37,101.01 23.22,100.65 24.1,100.33 24.98,100.05 25.88,99.81 26.79,99.61 27.7,99.46 28.62,99.35 29.55,99.28 30.48,99.25 31.38,99.27 32.29,99.32 33.18,99.42 34.08,99.55 34.96,99.73 35.84,99.95 36.71,100.2 37.57,100.5 38.41,100.83 39.24,101.2 40.05,101.6 40.84,102.05 41.61,102.52 42.35,103.04 43.08,103.58 43.78,104.16 44.45,104.77 45.1,105.41 45.71,106.07 46.3,106.77 46.85,107.48 47.37,108.23 47.86,108.99 48.32,109.78 48.73,110.59 49.11,111.42 49.46,112.26 49.76,113.11 50.03,113.98 50.26,114.87 50.44,115.76 50.59,116.66 50.7,117.56 50.77,118.47 50.79,119.38 50.78,120.29 50.72,121.2 50.62,122.11 50.48,123.01 50.31,123.91 50.09,124.79 49.83,125.67 49.53,126.53 49.2,127.38 48.83,128.22 48.42,129.03 47.97,129.83 47.49,130.61 46.97,131.36 46.42,132.09 45.84,132.8 45.22,133.48 44.58,134.13 43.91,134.75 43.21,135.34 42.48,135.9 41.73,136.43 40.96,136.92 40.16,137.38 39.35,137.8 38.52,138.18 37.67,138.53 36.8,138.83 35.92,139.1 35.03,139.33 34.14,139.52 33.23,139.67 32.32,139.78 31.4,139.85 30.48,139.87 29.56,139.86 28.64,139.8 27.73,139.7 26.82,139.56 25.91,139.38 25.02,139.16 24.14,138.9 23.26,138.6 22.41,138.27 21.57,137.89 20.74,137.48 19.94,137.03 19.15,136.54 18.39,136.02 17.65,135.46 16.94,134.87 16.26,134.26 15.6,133.61 14.97,132.93 14.38,132.22 13.81,131.49 13.28,130.73 12.79,129.95 12.32,129.15 11.9,128.33 11.51,127.49 11.16,126.63 10.85,125.76 10.58,124.87 10.35,123.97 10.16,123.07 10.01,122.15 9.9,121.23 9.83,120.31 9.81,119.38 9.82,118.45 9.88,117.53 9.98,116.6 10.12,115.68 10.3,114.77 10.52,113.87 10.78,112.98 11.09,112.1 11.43,111.24 11.81,110.39 12.22,109.56 12.68,108.74 13.17,107.95 13.7,107.19 14.26,106.44 14.85,105.72 15.47,105.03 16.13,104.37 16.81,103.74 17.53,103.14 18.26,102.57 19.03,102.03 19.81,101.53 20.62,101.06 21.45,100.64 22.3,100.25 23.17,99.89 24.05,99.58 24.94,99.31 25.84,99.07 26.76,98.88 27.68,98.73 28.61,98.62 29.54,98.55 30.48,98.52 31.39,98.54 32.3,98.59 33.2,98.69 34.11,98.82 35,98.99 35.89,99.21 36.76,99.46 37.63,99.74 38.48,100.07 39.32,100.43 40.14,100.83 40.94,101.27 41.72,101.73 42.48,102.24 43.22,102.77 43.94,103.34 44.63,103.94 45.29,104.57 45.93,105.23 46.53,105.91 47.11,106.62 47.66,107.35 48.17,108.11 48.65,108.89 49.09,109.69 49.5,110.51 49.87,111.35 50.21,112.2 50.51,113.06 50.77,113.94 50.99,114.83 51.18,115.73 51.32,116.64 51.43,117.55 51.49,118.46 51.52,119.38 51.5,120.3 51.45,121.21 51.35,122.13 51.22,123.04 51.04,123.94 50.83,124.83 50.58,125.72 50.29,126.59 49.96,127.45 49.59,128.29 49.19,129.12 48.75,129.93 48.28,130.72 47.77,131.49 47.23,132.23 46.66,132.95 46.05,133.65 45.42,134.32 44.76,134.96 44.07,135.57 43.35,136.15 42.61,136.7 41.85,137.22 41.06,137.7 40.25,138.15 39.43,138.57 38.58,138.94 37.72,139.28 36.85,139.58 35.96,139.85 35.07,140.07 34.16,140.26 33.25,140.4 32.33,140.51 31.41,140.57 30.48,140.6 29.55,140.58 28.63,140.53 27.71,140.43 26.79,140.3 25.88,140.12 24.98,139.91 24.09,139.65 23.21,139.36 22.34,139.03 21.49,138.66 20.66,138.25 19.84,137.81 19.04,137.33 18.27,136.82 17.52,136.27 16.79,135.7 16.09,135.09 15.41,134.45 14.76,133.78 14.15,133.08 13.56,132.36 13.01,131.61 12.49,130.84 12,130.05 11.55,129.24 11.13,128.4 10.75,127.55 10.41,126.69 10.1,125.8 9.84,124.91 9.61,124.01 9.42,123.09 9.28,122.17 9.17,121.24 9.1,120.31 9.08,119.38 9.09,118.45 9.15,117.51 9.25,116.58 9.38,115.66 9.56,114.74 9.78,113.83 10.04,112.93 10.33,112.05 10.67,111.17 11.04,110.31 11.45,109.47 11.89,108.65 12.38,107.85 12.89,107.06 13.44,106.31 14.02,105.57 14.64,104.86 15.28,104.18 15.96,103.53 16.66,102.91 17.39,102.32 18.14,101.76 18.92,101.23 19.72,100.74 20.54,100.28 21.38,99.86 22.24,99.48 23.11,99.14 24,98.83 24.9,98.56 25.81,98.33 26.74,98.14 27.66,98 28.6,97.89 29.54,97.82 30.48,97.8 31.4,97.81 32.31,97.86 33.22,97.96 34.13,98.09 35.03,98.26 35.93,98.46 36.81,98.71 37.68,98.99 38.54,99.31 39.39,99.67 40.22,100.06 41.03,100.49 41.83,100.95 42.6,101.44 43.36,101.97 44.09,102.53 44.79,103.12 45.48,103.73 46.13,104.38 46.76,105.06 47.35,105.76 47.92,106.48 48.46,107.23 48.96,108 49.43,108.79 49.87,109.61 50.27,110.44 50.63,111.28 50.96,112.14 51.26,113.02 51.51,113.9 51.73,114.8 51.91,115.71 52.05,116.62 52.16,117.54 52.22,118.46 52.24,119.38 52.23,120.3 52.18,121.23 52.08,122.15 51.95,123.06 51.78,123.97 51.57,124.87 51.32,125.76 51.04,126.64 50.72,127.51 50.36,128.37 49.96,129.2 49.53,130.02 49.07,130.82 48.57,131.61 48.04,132.37 47.47,133.1 46.88,133.81 46.26,134.5 45.6,135.16 44.92,135.79 44.22,136.39 43.49,136.97 42.73,137.51 41.95,138.01 41.15,138.49 40.34,138.93 39.5,139.33 38.65,139.7 37.78,140.04 36.9,140.33 36,140.59 35.1,140.81 34.19,140.99 33.27,141.13 32.34,141.24 31.41,141.3 30.48,141.33 29.55,141.31 28.62,141.26 27.69,141.16 26.77,141.03 25.85,140.86 24.94,140.65 24.04,140.4 23.16,140.11 22.28,139.78 21.42,139.42 20.58,139.02 19.75,138.59 18.94,138.12 18.15,137.62 17.39,137.08 16.64,136.52 15.93,135.92 15.23,135.29 14.57,134.63 13.93,133.94 13.32,133.23 12.75,132.49 12.2,131.73 11.69,130.95 11.21,130.14 10.77,129.32 10.36,128.47 9.99,127.61 9.65,126.74 9.35,125.85 9.09,124.95 8.87,124.04 8.69,123.12 8.55,122.19 8.44,121.26 8.38,120.32 8.35,119.38 8.37,118.44 8.42,117.5 8.52,116.57 8.65,115.64 8.82,114.71 9.04,113.8 9.29,112.89 9.58,112 9.91,111.11 10.27,110.25 10.67,109.39 11.11,108.56 11.58,107.74 12.09,106.95 12.63,106.18 13.2,105.43 13.81,104.71 14.44,104.01 15.1,103.34 15.8,102.7 16.51,102.08 17.26,101.5 18.03,100.95 18.82,100.44 19.63,99.95 20.46,99.51 21.31,99.1 22.18,98.72 23.06,98.38 23.96,98.08 24.87,97.82 25.78,97.59 26.71,97.41 27.65,97.27 28.59,97.16 29.53,97.1 30.48,97.07 31.4,97.08 32.32,97.14 33.24,97.23 34.16,97.36 35.06,97.52 35.96,97.72 36.86,97.97 37.74,98.24 38.61,98.56 39.46,98.91 40.3,99.29 41.13,99.71 41.93,100.16 42.72,100.65 43.49,101.16 44.23,101.71 44.95,102.29 45.65,102.9 46.32,103.54 46.96,104.21 47.58,104.9 48.17,105.61 48.73,106.35 49.25,107.11 49.75,107.9 50.21,108.7 50.64,109.52 51.03,110.36 51.39,111.22 51.72,112.09 52,112.97 52.26,113.87 52.47,114.77 52.65,115.68 52.78,116.6 52.89,117.52 52.95,118.45 52.97,119.38 52.96,120.31 52.9,121.24 52.81,122.16 52.68,123.09 52.52,124 52.31,124.91 52.07,125.81 51.79,126.7 51.47,127.57 51.12,128.43 50.73,129.28 50.31,130.11 49.86,130.93 49.37,131.72 48.84,132.49 48.29,133.24 47.71,133.97 47.09,134.67 46.45,135.35 45.78,136 45.08,136.62 44.36,137.21 43.61,137.77 42.84,138.31 42.05,138.8 41.24,139.27 40.42,139.7 39.57,140.1 38.71,140.46 37.83,140.79 36.94,141.08 36.04,141.33 35.13,141.55 34.21,141.73 33.28,141.87 32.35,141.97 31.42,142.03 30.48,142.05 29.54,142.04 28.61,141.99 27.67,141.89 26.74,141.76 25.82,141.59 24.91,141.39 24,141.14 23.11,140.86 22.22,140.54 21.35,140.19 20.5,139.8 19.66,139.37 18.84,138.91 18.04,138.42 17.26,137.89 16.51,137.33 15.77,136.74 15.07,136.12 14.38,135.48 13.73,134.8 13.1,134.1 12.5,133.37 11.94,132.62 11.4,131.84 10.9,131.05 10.43,130.23 9.99,129.39 9.59,128.54 9.23,127.67 8.9,126.79 8.61,125.89 8.35,124.98 8.13,124.07 7.96,123.14 7.81,122.21 7.71,121.27 7.65,120.32 7.62,119.38 7.64,118.44 7.69,117.49 7.79,116.55 7.92,115.62 8.09,114.68 8.3,113.76 8.54,112.85 8.83,111.95 9.15,111.06 9.51,110.18 9.9,109.32 10.33,108.47 10.79,107.65 11.29,106.84 11.82,106.06 12.38,105.3 12.98,104.56 13.6,103.84 14.25,103.15 14.94,102.49 15.64,101.86 16.38,101.26 17.14,100.69 17.92,100.15 18.72,99.64 19.54,99.17 20.39,98.73 21.25,98.33 22.12,97.96 23.01,97.63 23.92,97.33 24.83,97.08 25.76,96.86 26.69,96.68 27.63,96.53 28.58,96.43 29.53,96.37 30.48,96.34 31.41,96.36 32.33,96.41 33.26,96.5 34.18,96.62 35.09,96.79 36,96.99 36.9,97.22 37.79,97.49 38.66,97.8 39.53,98.14 40.38,98.52 41.21,98.93 42.03,99.38 42.83,99.85 43.61,100.36 44.36,100.9 45.1,101.47 45.81,102.07 46.5,102.7 47.16,103.36 47.8,104.04 48.4,104.75 48.98,105.48 49.53,106.23 50.05,107.01 50.54,107.8 50.99,108.62 51.41,109.45 51.8,110.3 52.15,111.16 52.47,112.04 52.75,112.93 53,113.83 53.21,114.74 53.38,115.66 53.52,116.58 53.61,117.51 53.68,118.45 53.7,119.38 53.68,120.32 53.63,121.25 53.54,122.18 53.42,123.11 53.25,124.03 53.05,124.94 52.81,125.85 52.54,126.74 52.23,127.63 51.88,128.5 51.5,129.36 51.09,130.2 50.64,131.02 50.16,131.82 49.65,132.61 49.1,133.37 48.53,134.11 47.92,134.83 47.29,135.53 46.63,136.19 45.94,136.83 45.23,137.44 44.49,138.03 43.73,138.58 42.95,139.1 42.15,139.59 41.33,140.05 40.49,140.47 39.63,140.87 38.76,141.22 37.88,141.54 36.98,141.83 36.07,142.07 35.16,142.28 34.23,142.46 33.3,142.6 32.36,142.7 31.42,142.76 30.48,142.78 29.54,142.77 28.6,142.71 27.66,142.62 26.72,142.5 25.79,142.33 24.87,142.13 23.96,141.89 23.06,141.61 22.17,141.3 21.29,140.95 20.43,140.57 19.58,140.15 18.75,139.7 17.94,139.21 17.15,138.7 16.38,138.15 15.63,137.57 14.91,136.96 14.21,136.32 13.54,135.65 12.89,134.96 12.27,134.24 11.69,133.5 11.13,132.74 10.6,131.95 10.11,131.14 9.65,130.31 9.22,129.47 8.83,128.61 8.47,127.73 8.15,126.84 7.86,125.93 7.61,125.02 7.4,124.09 7.22,123.16 7.08,122.22 6.98,121.28 6.92,120.33 6.9,119.38 6.91,118.43 6.96,117.48 7.06,116.54 7.18,115.59 7.35,114.66 7.56,113.73 7.8,112.81 8.08,111.9 8.39,111 8.74,110.12 9.13,109.25 9.55,108.39 10,107.56 10.49,106.74 11.01,105.94 11.57,105.17 12.15,104.42 12.77,103.69 13.41,102.98 14.08,102.31 14.78,101.66 15.5,101.03 16.25,100.44 17.02,99.88 17.81,99.35 18.63,98.85 19.46,98.39 20.31,97.96 21.18,97.56 22.07,97.2 22.97,96.87 23.88,96.59 24.8,96.33 25.73,96.12 26.67,95.94 27.62,95.8 28.57,95.7 29.52,95.64 30.48,95.62 31.41,95.63 32.35,95.68 33.27,95.77 34.2,95.89 35.12,96.05 36.03,96.25 36.94,96.48 37.83,96.74 38.72,97.05 39.59,97.38 40.45,97.75 41.29,98.16 42.12,98.59 42.93,99.06 43.72,99.56 44.49,100.1 45.24,100.66 45.97,101.25 46.67,101.87 47.35,102.51 48,103.18 48.63,103.88 49.22,104.6 49.79,105.35 50.33,106.11 50.84,106.9 51.32,107.71 51.77,108.53 52.18,109.38 52.56,110.23 52.91,111.11 53.22,111.99 53.5,112.89 53.74,113.8 53.94,114.71 54.11,115.64 54.25,116.57 54.34,117.5 54.4,118.44 54.43,119.38 54.41,120.32 54.36,121.26 54.27,122.2 54.15,123.13 53.99,124.06 53.79,124.98 53.56,125.89 53.29,126.79 52.98,127.68 52.64,128.56 52.27,129.43 51.86,130.28 51.42,131.11 50.95,131.92 50.45,132.72 49.91,133.5 49.35,134.25 48.75,134.98 48.13,135.69 47.48,136.38 46.8,137.03 46.1,137.66 45.37,138.27 44.62,138.84 43.85,139.38 43.05,139.9 42.24,140.38 41.41,140.83 40.56,141.25 39.7,141.63 38.82,141.98 37.92,142.29 37.02,142.57 36.11,142.81 35.18,143.02 34.25,143.19 33.31,143.33 32.37,143.42 31.43,143.48 30.48,143.51 29.53,143.49 28.59,143.44 27.64,143.35 26.7,143.23 25.77,143.07 24.84,142.87 23.92,142.63 23.01,142.36 22.11,142.05 21.23,141.71 20.36,141.34 19.5,140.93 18.66,140.48 17.84,140.01 17.04,139.5 16.26,138.96 15.49,138.39 14.76,137.79 14.04,137.16 13.36,136.5 12.69,135.82 12.06,135.11 11.45,134.38 10.87,133.63 10.32,132.85 9.81,132.05 9.32,131.23 8.87,130.39 8.45,129.54 8.06,128.67 7.71,127.78 7.4,126.88 7.11,125.97 6.87,125.05 6.66,124.12 6.49,123.18 6.35,122.24 6.25,121.29 6.19,120.33 6.17,119.38 6.18,118.43 6.24,117.47 6.33,116.52 6.45,115.57 6.62,114.63 6.82,113.7 7.05,112.77 7.33,111.86 7.63,110.95 7.98,110.06 8.36,109.18 8.77,108.32 9.22,107.47 9.7,106.65 10.21,105.84 10.75,105.05 11.33,104.28 11.93,103.54 12.57,102.82 13.23,102.13 13.91,101.46 14.63,100.82 15.37,100.21 16.13,99.63 16.91,99.07 17.72,98.55 18.54,98.06 19.39,97.61 20.25,97.18 21.13,96.8 22.02,96.44 22.92,96.12 23.84,95.84 24.77,95.59 25.71,95.38 26.65,95.21 27.6,95.07 28.56,94.97 29.52,94.91 30.48,94.89 31.42,94.9 32.36,94.95 33.29,95.04 34.22,95.16 35.15,95.32 36.07,95.51 36.98,95.73 37.88,96 38.77,96.29 39.65,96.62 40.52,96.99 41.37,97.38 42.21,97.81 43.03,98.27 43.83,98.77 44.61,99.29 45.37,99.84 